# Altium PCB HYDRA_V4_NAV.PcbDoc (part 2 of 2)
Units mm, origin at the board's own origin, x right, y up, seen from the top; angles counter-clockwise.
Board outline 50 x 44 mm, 4 copper layers (TOP SIG, GND, PWR+SIG, BOTTOM SIG), stack 1.586 mm thick; 165 components, 153 nets, 675 pads, 264 vias.
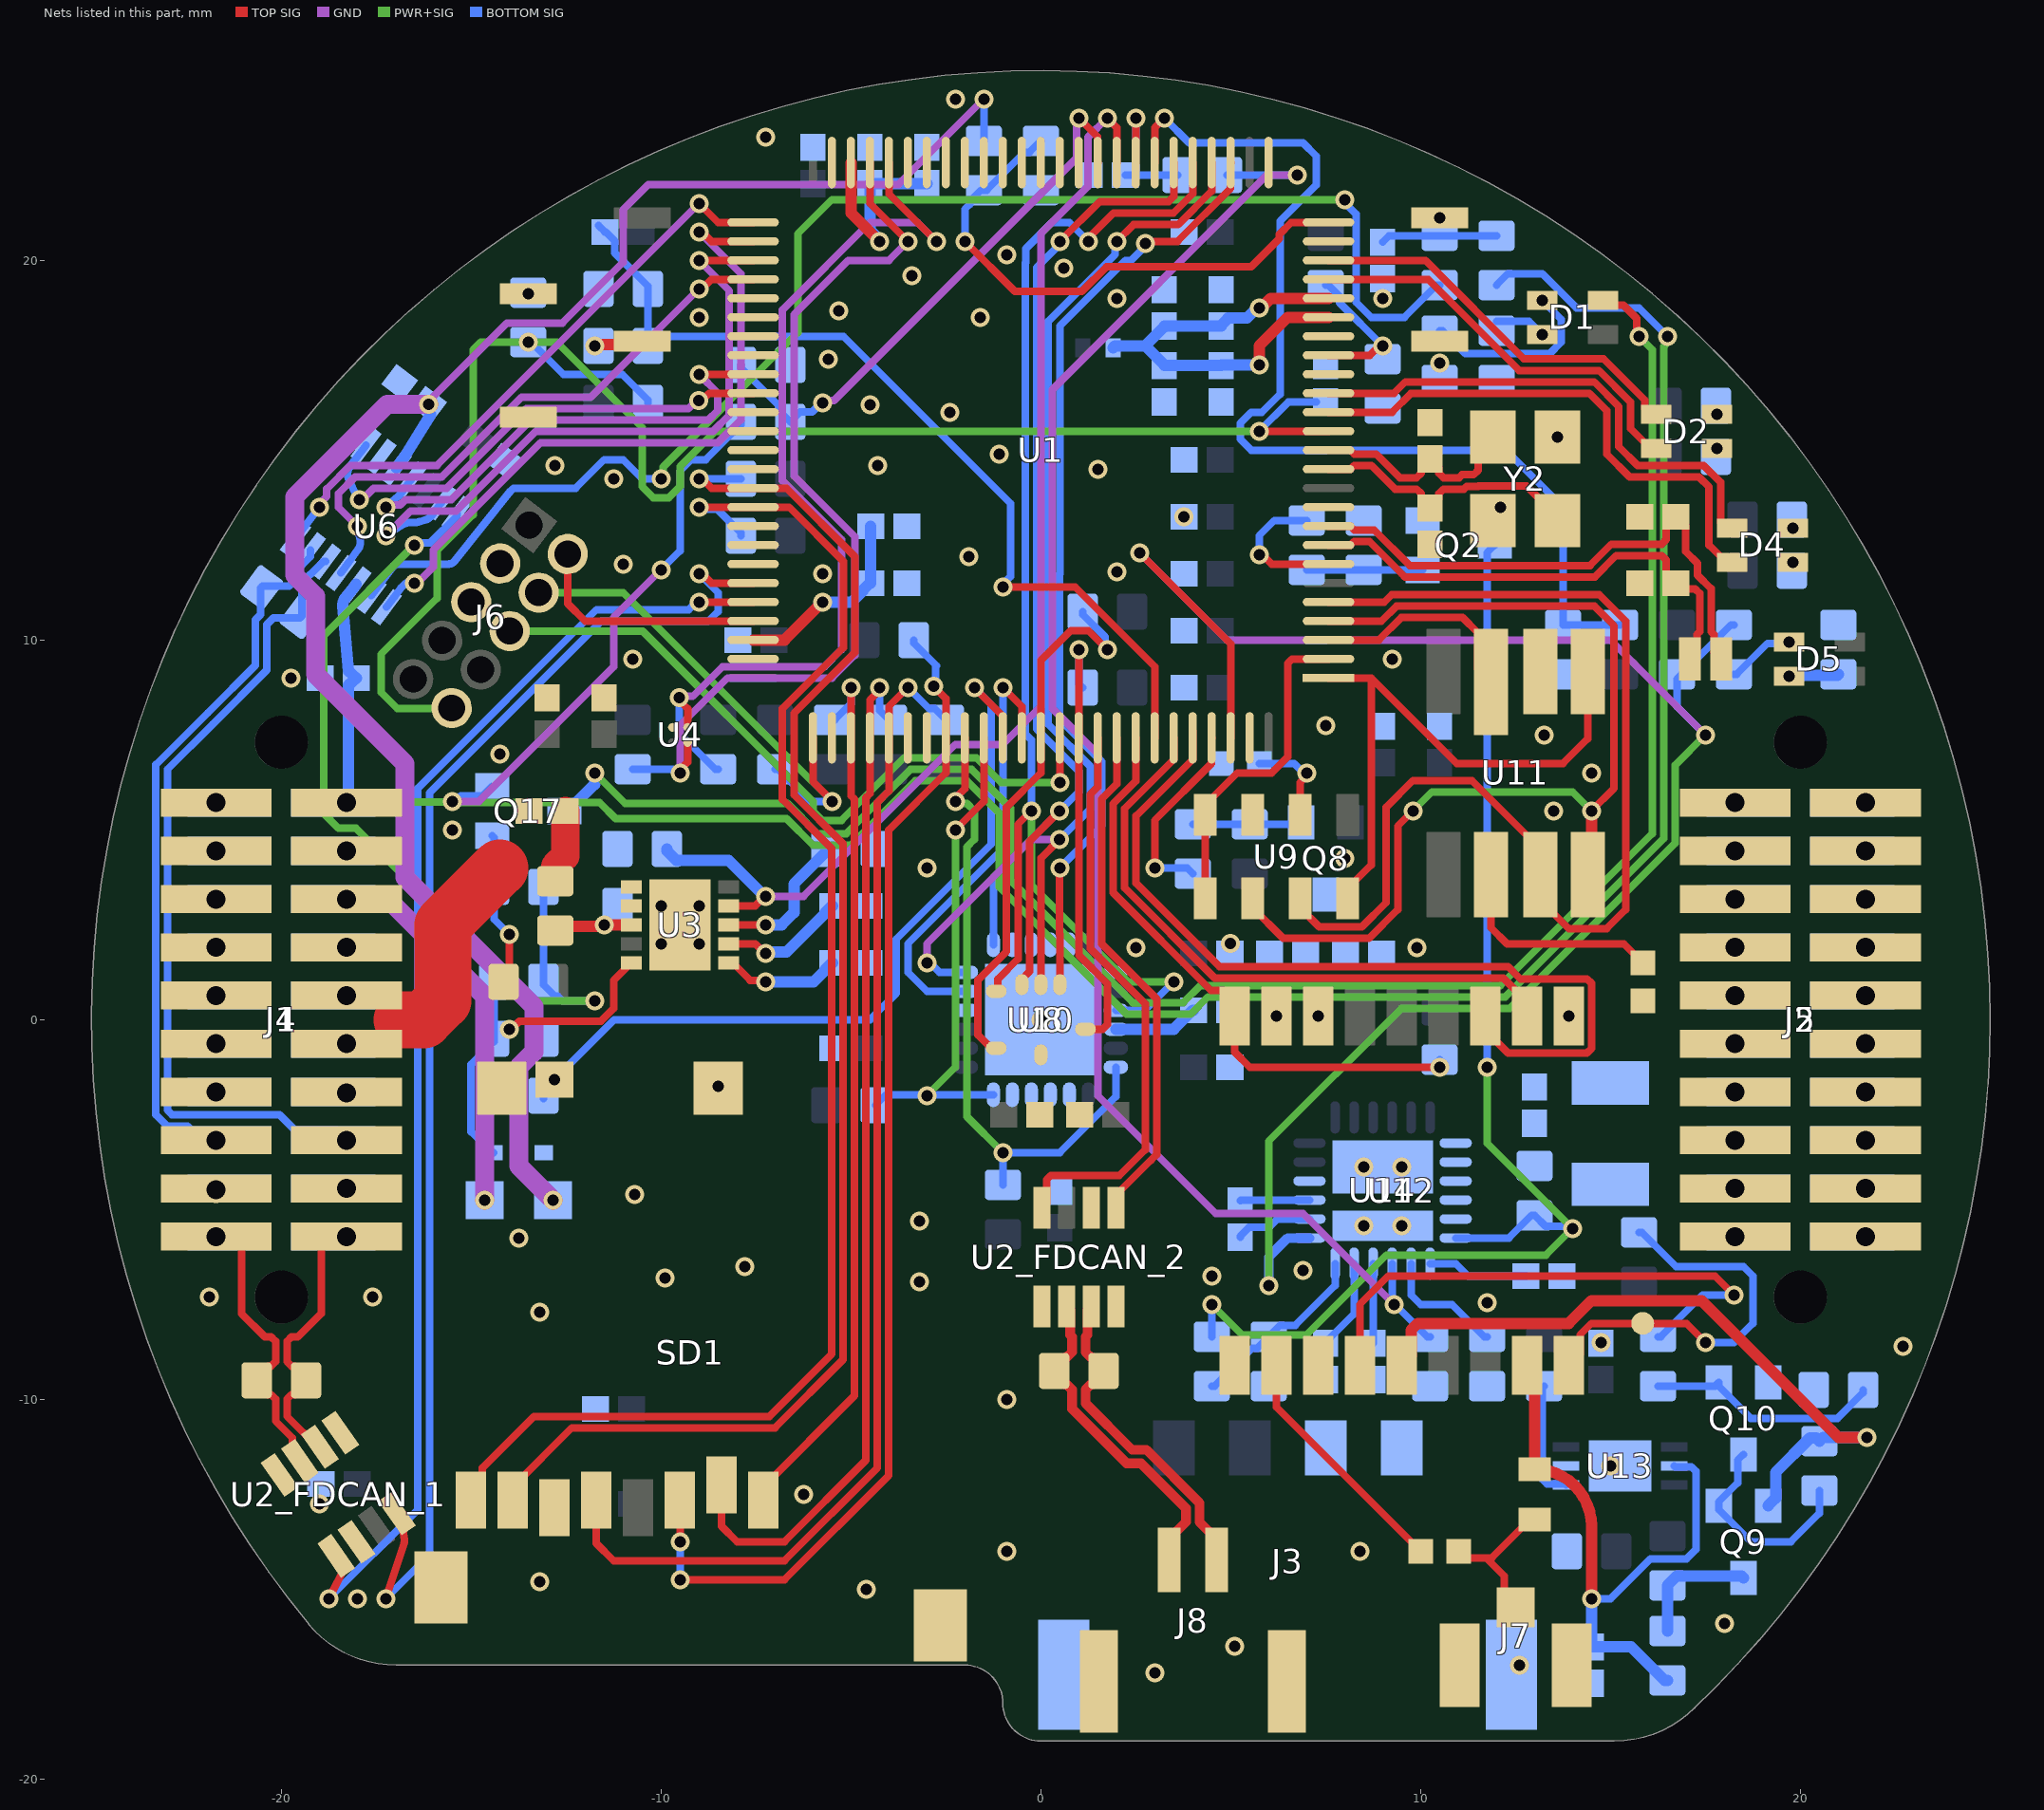
[diagram p4: the nets of this part, all layers, seen from the top]

## Via types
v1: diameter 0.5, hole 0.3, TOP SIG to BOTTOM SIG, tented both sides, 224 vias
v2: diameter 0.7, hole 0.5, TOP SIG to BOTTOM SIG, tented both sides, 40 vias

## Nets (pads, with @x,y where several pads share a name; then routed paths per layer and width w, separated by ;. In a path a pad name is that pad's centre, name@x,y a point inside that pad or via, vN(x,y) a via of type N, cw(c..) or ccw(c..) an arc to the next point about the centre after c; other vN are vias at no path point) (continued)
ANT_SHORT_N: C40.1 L1.1 R38.1 U12.17 U13.2 | length 16.7
  TOP SIG w0.3: U12.17@12.8,-9.1 cw(c12.8,-9.3) 13,-9.3 L1.1@13,-11.837 cw(c13,-13.337) 14.5,-13.337 v1(14.5,-15.25)
  BOTTOM SIG w0.2: v1(14.5,-15.25) 15.002,-15.25 16.05,-14.202 17,-14.202 17.25,-13.952 17.25,-11.892 17.133,-11.775 16.7,-11.775 U13.2@16.675,-11.75
  BOTTOM SIG w0.3: v1(14.5,-15.25) C40.1@14.5,-16.521 15.546,-16.521 16.425,-17.4 R38.1@16.5,-17.4
BARO0_nCS: U1.2 U9.4 U9.5 | length 8.7
  TOP SIG w0.2: U9.5@4.325,3.2 U9.4@4.325,5.4 4.325,5.65 5.175,6.5 6.082,6.5 6.5,6.918 6.5,9.383 6.617,9.5 U1.2@7.575,9.5
BARO1_nCS: U1.3 U11.3 | length 6.7
  TOP SIG w0.2: U1.3@7.575,10 8.9,10 9.497,10.597 11.103,10.597 11.5,10.2 11.5,9.25 U11.3@11.85,8.9
  TOP SIG w0.3: U11.3@11.85,7.95 U11.3@11.85,8.9
BARO_MISO: U1.4 U9.6 U11.8 | length 27.3
  TOP SIG w0.2: U9.6@5.575,3.2 5.575,2.95 6.378,2.147 8.647,2.147 9.4,2.9 9.4,5.1 v1(9.8,5.5) ; U1.4@7.575,10.5 8.973,10.5 9.372,10.898 14.575,10.898 15.098,10.375 15.098,6.098 v1(14.5,5.5)
  TOP SIG w0.3: U11.8@14.4,3.825 14.5,3.925 v1(14.5,5.5)
  PWR+SIG w0.2: v1(9.8,5.5) 10.3,6 14,6 v1(14.5,5.5)
BARO_MOSI: U1.5 U9.7 U11.7 | length 30.5
  TOP SIG w0.2: U9.7@6.825,3.2 6.825,2.95 7.327,2.448 8.459,2.448 9.098,3.088 9.098,5.598 9.8,6.3 11.35,6.3 13.15,4.5 U11.7@13.15,3.825 13.15,3.15 13.9,2.4 14.9,2.4 15.4,2.9 15.4,10.5 14.7,11.2 9.247,11.2 9.047,11 U1.5@7.575,11
BARO_SCLK: U1.1 U9.8 U11.1 | length 16
  TOP SIG w0.2: U1.1@7.575,9 8.7,9 ; U9.8@8.075,3.2 8.075,3.45 8.7,4.075 8.7,9 ; U11.1@14.4,9.175 14.4,7.4 13.75,6.75 10.95,6.75 8.7,9
  TOP SIG w0.3: U11.1@14.4,9.175 U11.1@14.5,9.075
BOOT: C30.1 R1.1 R26.2 U1.94 | length 23.9
  TOP SIG w0.2: v1(-1,11.4) 0.9,11.4 3,9.3 U1.94@3,7.425
  BOTTOM SIG w0.2: C30.1@-11.65,20.921 C30.1@-11.479,20.75 -11.457,20.75 -11.221,20.514 -11.221,20.196 -10.35,19.325 R1.1@-10.35,19.25 R26.2@-10.35,17.75 ; R26.2@-10.089,18 -5.2,18 -0.8,13.6 -0.8,11.667 -1,11.467 v1(-1,11.4)
CAN0_N: J1.16 J4.16 R5.1 U6.12 | length 21.7
  BOTTOM SIG w0.2: U6.12@-18.828,12.069 -18.887,12.069 -19.219,11.737 -19.235,11.737 -19.352,11.62 -19.352,11.434 -19.454,11.332 -19.454,10.635 R5.1@-19.481,10.609 -19.507,10.582 -20.204,10.582 -20.381,10.406 -20.381,9.209 -21.803,7.786 -23,6.59 -23,-2.383 -22.878,-2.505 -20.045,-2.505 -19.645,-2.905 -18.555,-2.905 v2(-18.285,-3.175)
CAN0_P: J1.15 J4.15 R5.2 U6.13 | length 18.8
  BOTTOM SIG w0.2: v2(-21.715,-3.175) -22.105,-3.175 -22.473,-2.807 -23.003,-2.807 -23.302,-2.508 -23.302,6.715 -21.928,8.088 -20.683,9.334 -20.683,10.531 -20.546,10.668 -20.546,11.365 R5.2@-20.519,11.391 -20.493,11.418 -19.796,11.418 -19.654,11.559 -19.654,11.775 -19.227,12.201 U6.13@-19.227,12.37
CAN1_N: J1.20 J4.20 R3_FDCAN_1.1 U2_FDCAN_1.6 | length 7.1
  TOP SIG w0.2: U2_FDCAN_1.6@-18.979,-11.249 -19.048,-11.249 -19.849,-10.447 -19.849,-9.992 -19.732,-9.875 -19.65,-9.875 -19.35,-9.575 R3_FDCAN_1.1@-19.35,-9.5 -19.35,-9.425 -19.65,-9.125 -19.732,-9.125 -19.849,-9.008 -19.849,-8.638 -19.849,-8.472 -19.732,-8.355 -19.565,-8.355 -18.95,-7.74 -18.95,-5.985 -18.685,-5.72 J4.20@-18.635,-5.72
  other v2: -18.285,-5.715
CAN1_P: J1.19 J4.19 R3_FDCAN_1.2 U2_FDCAN_1.7 | length 7.2
  TOP SIG w0.2: J4.19@-21.365,-5.72 -21.315,-5.72 -21.05,-5.985 -21.05,-7.74 -20.435,-8.355 -20.268,-8.355 -20.151,-8.472 -20.151,-8.763 -20.151,-9.008 -20.268,-9.125 -20.35,-9.125 -20.65,-9.425 R3_FDCAN_1.2@-20.65,-9.5 ; R3_FDCAN_1.2@-20.65,-9.575 -20.35,-9.875 -20.268,-9.875 -20.151,-9.992 -20.151,-10.572 -19.712,-11.011 -19.712,-11.421 U2_FDCAN_1.7@-19.512,-11.622
  other v2: -21.715,-5.715
CAN2_N: J8.1 R3_FDCAN_2.1 U2_FDCAN_2.6 | length 8.8
  TOP SIG w0.254: U2_FDCAN_2.6@0.675,-7.55 0.773,-7.648 0.773,-8.306 0.822,-8.355 0.822,-8.753 0.673,-8.902 0.623,-8.902 0.35,-9.175 R3_FDCAN_2.1@0.35,-9.25 0.35,-9.325 0.623,-9.598 0.673,-9.598 0.822,-9.747 0.822,-10.249 2.26,-11.687 2.636,-11.687 3.822,-12.873 3.822,-13.228 3.375,-13.675 J8.1@3.375,-14.225
CAN2_P: J8.2 R3_FDCAN_2.2 U2_FDCAN_2.7 | length 8.8
  TOP SIG w0.254: U2_FDCAN_2.7@1.325,-7.55 1.227,-7.648 1.227,-8.306 1.178,-8.355 1.178,-8.753 1.327,-8.902 1.377,-8.902 1.65,-9.175 R3_FDCAN_2.2@1.65,-9.25 1.65,-9.325 1.377,-9.598 1.327,-9.598 1.178,-9.747 1.178,-10.102 2.407,-11.331 2.783,-11.331 4.178,-12.726 4.178,-13.228 4.625,-13.675 J8.2@4.625,-14.225
GND: C1.2 C2_FDCAN_1.2 C2_FDCAN_2.2 C3.2 C4.2 C5.2 C7.2 C8.2 C9.2 C10.2 C11.2 C12.2 C13.2 C14.2 C15.2 C16.2 C17.2 C18.2 C19.2 C20.2 C21.2 C22.2 C23.2 C24.2 C25.2 C28.2 C29.2 C31.2 C32.2 C33.2 C34.2 C35.2 C36.2 C37.2 C38.2 C39.2 C40.2 C41.2 C42.2 C43.2 C44.2 C45.2 C46.2 C47.2 C48.2 C49.2 C50.2 C51.2 C52.2 C53.2 C54.2 C55.2 D3.2 J1.07 J1.08 J1.13 J1.14 J1.17 J1.18 J2.01 J2.02 J2.03 J2.04 J2.05 J2.06 J2.07 J2.08 J2.09 J2.10 J2.11 J2.12 J3.1 J3.2 J3.5 J3.6 J4.07 J4.08 J4.13 J4.14 J4.17 J4.18 J5.01 J5.02 J5.03 J5.04 J5.05 J5.06 J5.07 J5.08 J5.09 J5.10 J5.11 J5.12 J6.03 J6.05 J7.2 J7.3 J8.3 J8.4 Q2.2 Q10.2 R1.2 R8.1 R11.1 R12.2 R13.2 R14.2 R15.1 R16.2 R36.2 R41.2 R42.2 R48.2 R53.2 R56.2 R57.2 R58.2 R59.2 R62.2 R68.2 R82.1 SD1.6 SD1.10 SD1.11 SD1.12 SD1.13 SW1.2 SW3.2 U1.10 U1.19 U1.26 U1.49 U1.74 U1.99 U2_FDCAN_1.2 U2_FDCAN_2.2 U3.11 U4.A1 U6.2 U8.2 U8.3 U8.4 U8.5 U8.7 U8.14 U8.15 U8.16 U8.17 U8.22 U8.25 U9.3 U10.6 U11.2 U12.1 U12.10 U12.12 U13.5 U13.7 U14.4 U14.5 U14.14 U14.26 Y2.2 Y2.4 | length 2
  BOTTOM SIG w0.2: C52.2@5.25,-5.729 5.25,-5.707 5.486,-5.471 6.009,-5.471 6.23,-5.25 U14.14@7.075,-5.25
  other v1: 3,-17.2 12.6,-17 5.1,-16.5 18,-15.9 -18,-15.25 -4.6,-15 -13.2,-14.8 -0.9,-14 8.4,-14 -19,-12.75 -6.25,-12.5 15,-11.75 -0.9,-10 22.7,-8.6 14.75,-8.5 -13.2,-7.7 11.75,-7.45 -21.9,-7.3 -17.6,-7.3 -3.2,-6.9 -9.9,-6.8 4.5,-6.75 6.9,-6.6 -7.8,-6.5 -13.75,-5.75 8.5,-5.435 9.5,-5.435 -3.2,-5.3 -10.7,-4.6 -8.5,-1.75 0,0 13.9,0.1 2.5,1.9 9.9,1.9 -10,2 -9,2 4.989,2.011 -10,3 -9,3 -3,4 8,4.25 -15.5,5 13.5,5.5 14.5,6.5 -14.25,7 13.25,7.5 7.5,7.75 -19.75,9 -10.75,9.5 9.25,9.5 -5.75,11.75 2,11.8 -11,12 -1.9,12.2 3.771,13.25 12.1,13.5 -11.25,14.25 1.5,14.5 -12.8,14.6 -4.3,14.6 -1.1,14.9 13.6,15.35 -2.4,16 -4.5,16.2 10.5,17.3 -5.6,17.4 -9,18.5 -1.6,18.5 -5.317,18.673 2,19 9,19 -3.4,19.6 0.6,19.8 -0.896,20.146 -7.25,23.25 -2.25,24.25
  other v2: -21.715,-4.475 -18.285,-4.445 -18.285,-1.933 -21.715,-1.905 18.285,-0.635 21.715,-0.635 18.285,0.635 21.715,0.635 -21.715,1.905 -18.285,1.905 18.285,1.905 21.715,1.905 18.285,3.175 21.715,3.175 18.285,4.445 21.715,4.445 18.285,5.715 21.715,5.715
GPS_ENABLE: R44.2 U1.97 | length 5.1
  TOP SIG w0.2: v1(3.011,4) 3,4.011 3,5.25 4.494,6.744 4.494,6.838 4.498,6.842 4.498,7.422 U1.97@4.5,7.425
  BOTTOM SIG w0.2: v1(3.011,4) 3.85,4 R44.2@4,3.85
GPS_nRESET: R65.2 U1.93 U12.9 | length 15.8
  TOP SIG w0.2: U1.93@2.5,7.425 2.5,6.28 1.908,5.688 1.908,3.342 4.475,0.775 4.8,0.775 5.1,0.475 U12.9@5.1,0.1 5.108,0.092 5.108,-0.858 5.5,-1.25 v1(10.5,-1.25)
  BOTTOM SIG w0.2: v1(10.5,-1.25) R65.2@10.5,-1.05
GPS_PWR: C38.1 C39.1 Q8.3 U12.7 U12.8
  other v1: 6.2,0.1 7.3,0.1
IMON: R19.1 R56.1 U14.9 | length 42.2
  GND w0.2: v1(6.75,22.25) 5.957,22.25 0.302,16.594 0.302,8.198 1.5,7 1.5,-2 4.6,-5.1 6.9,-5.1 v1(9.3,-7.5)
  BOTTOM SIG w0.2: R19.1@4.9,22.25 v1(6.75,22.25) ; U14.9@9.25,-6.425 9.25,-7.425 10.175,-8.35 R56.1@10.25,-8.35
IMU0_nCS: U1.87 U8.23 | length 11.8
  TOP SIG w0.2: v1(-1,8.75) -0.5,8.25 U1.87@-0.5,7.425
  BOTTOM SIG w0.2: U8.23@-1.975,0.75 -3,0.75 -3.5,1.25 -3.5,2 -1,4.5 v1(-1,8.75)
IMU0_nRESET: R46.2 U1.85 U8.18 | length 13.3
  TOP SIG w0.2: v1(-2.25,5) -1.5,5.75 U1.85@-1.5,7.425
  PWR+SIG w0.2: v1(-3,-2) -2.25,-1.25 v1(-2.25,5)
  BOTTOM SIG w0.2: R46.2@-4.35,-2.25 -4.075,-1.975 U8.18@-1.25,-1.975
IMU0_ODR: R47.2 U1.84 U8.12 | length 17.1
  TOP SIG w0.2: v1(-2.25,5.748) -2.25,5.83 -2,6.08 U1.84@-2,7.425
  PWR+SIG w0.2: v1(-2.25,5.748) -2.194,5.693 -1.943,5.693 -1.75,5.5 -1.75,4.75 -1.948,4.552 -1.948,-2.552 v1(-1,-3.5)
  BOTTOM SIG w0.2: R47.2@-1,-4.35 v1(-1,-3.5) 0.5,-3.5 1.975,-2.025 U8.12@1.975,-1.25
IMU1_INT1: R49.2 U1.88 U10.4 | length 14.7
  TOP SIG w0.2: U10.4@-1.175,-0.75 -1.308,-0.75 -1.652,-0.406 -1.652,1.048 -0.902,1.798 -0.902,5.598 0,6.5 U1.88@0,7.425 0,9.457 0.793,10.25 1.25,10.25 v1(1.75,9.75)
  BOTTOM SIG w0.2: R49.2@1.1,10.75 1.1,10.675 1.693,10.082 1.693,9.807 v1(1.75,9.75)
IMU1_INT2: R50.2 U1.90 U10.9 | length 11.9
  TOP SIG w0.2: v1(1,9.75) U1.90@1,7.425 1,4.21 1.003,4.207 1.003,1.697 1.75,0.95 1.75,-0.133 1.633,-0.25 U10.9@1.175,-0.25
  BOTTOM SIG w0.2: v1(1,9.75) 1,8.85 R50.2@1.1,8.75
IMU1_nCS: U1.28 U10.12 | length 25
  TOP SIG w0.2: U10.12@0.5,0.925 0.5,2.25 0.492,2.258 0.492,3.989 v1(0.503,4) ; v1(2.75,20.448) 2.802,20.5 3.6,20.5 4.998,21.898 4.998,22.573 U1.28@5,22.575
  BOTTOM SIG w0.2: v1(0.503,4) 0.503,4.003 1.603,5.103 1.603,6.797 0.498,7.902 0.498,11.75 0.5,11.752 0.5,18.273 2.227,20 2.383,20 2.75,20.367 v1(2.75,20.448)
IMU_MISO: U1.30 U8.9 U10.1 | length 34.9
  TOP SIG w0.2: U10.1@-1.175,0.75 -1.127,0.798 -1.127,1.073 -0.6,1.6 -0.6,5.15 v1(-0.25,5.5) ; v1(1.25,20.5) 1.25,20.581 1.919,21.25 3.497,21.25 4,21.753 U1.30@4,22.575
  PWR+SIG w0.2: v1(-0.25,5.5) -0.25,3.55 2.3,1 v1(3.5,1)
  BOTTOM SIG w0.2: v1(-0.25,5.5) -0.25,7.37 -0.406,7.527 -0.406,19.929 -0.396,19.939 -0.396,20.311 0.293,21 0.75,21 v1(1.25,20.5) ; U8.9@1.975,0.25 2.75,0.25 v1(3.5,1)
IMU_MOSI: U1.31 U8.1 U10.14 | length 29.5
  TOP SIG w0.2: U10.14@-0.5,0.925 -0.5,1.066 -0.298,1.267 -0.298,4.702 v1(0.492,5.492) ; v1(0.5,20.5) 1.552,21.552 3.371,21.552 3.5,21.68 U1.31@3.5,22.575
  BOTTOM SIG w0.2: U8.1@-1.25,1.975 -1.25,3.75 0.5,5.5 1,6 1,6.547 -0.105,7.652 -0.105,19.814 0.5,20.419 v1(0.5,20.5)
IMU_SCLK: U1.29 U8.24 U10.13 | length 31.4
  TOP SIG w0.2: U10.13@0,0.925 0.003,0.928 0.003,4.253 0.492,4.742 v1(0.492,4.75) ; v1(2,20.5) 2.448,20.948 3.622,20.948 4.5,21.827 U1.29@4.5,22.575
  GND w0.2: v1(-3,1.5) -3,2 -0.25,4.75 v1(0.492,4.75)
  BOTTOM SIG w0.2: v1(-3,1.5) -2.919,1.5 -2.669,1.25 U8.24@-1.975,1.25 ; v1(0.492,4.75) 0.5,4.75 1.302,5.552 1.302,6.672 0.197,7.777 0.197,11.875 0.198,11.876 0.198,18.398 1.961,20.161 1.961,20.461 v1(2,20.5)
LNA_EN: R39.2 U12.13 | length 14.4
  TOP SIG w0.2: U12.13@8.4,-9.1 8.4,-7.5 9.15,-6.75 17.75,-6.75 v1(18.25,-7.25)
  BOTTOM SIG w0.2: R39.2@16.25,-8.35 16.325,-8.35 17.425,-7.25 v1(18.25,-7.25)
MAG_SCL: R64.2 U1.46 U4.A2 | length 25.4
  TOP SIG w0.2: v1(-9.514,8.486) -9.514,8.405 -9.3,8.191 U4.A2@-9.3,7.7 ; U1.46@-4,22.575 -4,21.75 v1(-2.75,20.5)
  GND w0.2: v1(-9.514,8.486) -9.485,8.515 -9.165,8.515 -8.378,9.302 -5.698,9.302 -5.25,9.75 -5.25,12.65 -6.802,14.202 -6.802,18.698 -4.5,21 -3.25,21 v1(-2.75,20.5)
  BOTTOM SIG w0.2: v1(-9.514,8.486) -9.514,7.539 -8.575,6.6 R64.2@-8.5,6.6
MAG_SDA: R63.2 U1.47 U4.B2 | length 24.7
  TOP SIG w0.2: v1(-9.5,6.5) -9.5,6.581 -9.3,6.781 U4.B2@-9.3,7.3 ; U1.47@-4.5,22.575 -4.5,21.5 v1(-3.5,20.5)
  GND w0.2: v1(-9.5,6.5) -9.5,7.75 -8.25,9 -5.5,9 -4.9,9.6 -4.9,12.727 -6.5,14.327 -6.5,18.573 -5.073,20 -4,20 v1(-3.5,20.5)
  BOTTOM SIG w0.2: R63.2@-10.75,6.6 -9.681,6.6 -9.581,6.5 v1(-9.5,6.5)
MCU_G_LED: D2.1 U1.22 | length 10.9
  TOP SIG w0.2: U1.22@7.575,19.5 10.2,19.5 12.598,17.102 14.697,17.102 15.525,16.274 15.525,15.575 16.05,15.05 D2.1@16.2,15.05
MCU_R_LED: D2.4 U1.23 | length 10.4
  TOP SIG w0.2: U1.23@7.575,20 10.127,20 12.723,17.403 14.822,17.403 15.9,16.325 15.9,16.1 16.05,15.95 D2.4@16.2,15.95
NAV_G_LED: D4.1 U1.15 | length 14.2
  TOP SIG w0.2: U1.15@7.575,16 9.25,16 9.748,16.498 14.447,16.498 14.9,16.045 14.9,14.9 15.503,14.297 17.333,14.297 17.598,14.031 17.598,12.502 18.05,12.05 D4.1@18.2,12.05
NAV_R_LED: D4.4 U1.16 | length 13.6
  TOP SIG w0.2: U1.16@7.575,16.5 9.3,16.5 9.6,16.8 14.572,16.8 15.223,16.149 15.223,15.092 15.716,14.598 17.458,14.598 17.9,14.156 17.9,13.1 18.05,12.95 D4.4@18.2,12.95
NetC1_1: C1.1 R19.2 U1.33 | length 4
  TOP SIG w0.2: U1.33@2.5,22.575 v1(2.5,23.75)
  BOTTOM SIG w0.2: C1.1@2.229,22.25 R19.2@3.6,22.25 ; C1.1@2.5,22.336 v1(2.5,23.75)
NetC12_1: C12.1 C13.1 U1.48 | length 5.5
  TOP SIG w0.3: U1.48@-5,22.575 -5,21.25 v1(-4.25,20.5)
  BOTTOM SIG w0.3: v1(-4.25,20.5) -4.25,20.554 -4.5,20.804 C13.1@-4.5,22.021 C12.1@-3,22.021
NetC14_1: C14.1 C17.1 U1.73 | length 5.2
  TOP SIG w0.3: U1.73@-7.575,10 -6.75,10 v1(-5.75,11)
  BOTTOM SIG w0.3: v1(-5.75,11) -4.979,11 -4.686,11.292 -4.686,11.314 -4.5,11.5 C17.1@-4.479,11.5 C14.1@-4.479,13
NetC16_1: C16.1 U3.7 | length 3.4
  TOP SIG w0.2: U3.7@-8.215,2 -7.518,2 -7.268,1.75 v1(-7.25,1.75)
  BOTTOM SIG w0.3: v1(-7.25,1.75) -7.212,1.788 -6.69,1.788 -5.686,2.792 -5.686,2.814 -5.5,3 C16.1@-5.479,3
NetC25_1: C25.1 R6.1 R7.1 SW1.1 | length 3.1
  BOTTOM SIG w0.2: C25.1@9,20.479 9.171,20.65 R7.1@10.5,20.65 R6.1@12,20.65
  other v1: 10.5,21.125
NetC35_1: C35.1 U3.6 | length 3.2
  TOP SIG w0.2: U3.6@-8.215,1.5 -8.115,1.5 -7.653,1.038 -7.288,1.038 v1(-7.25,1)
  BOTTOM SIG w0.3: v1(-7.25,1) -5.979,1 -5.686,1.292 -5.686,1.314 -5.5,1.5 C35.1@-5.479,1.5
NetC47_1: C47.1 U8.10 | length 2.3
  BOTTOM SIG w0.3: U8.10@1.975,-0.25 3.5,-0.25 4,0.25 C47.1@4.021,0.25
NetC51_1: C51.1 F1.2 R52.1 U14.1 U14.2 U14.3 U14.16 U14.25
  other v1: 8.5,-3.875 9.5,-3.875
NetC52_1: C52.1 U14.15 | length 1.8
  BOTTOM SIG w0.2: C52.1@5.25,-4.771 5.271,-4.75 U14.15@7.075,-4.75
NetC53_1: C53.1 U14.11 | length 2.4
  BOTTOM SIG w0.2: C53.1@7.5,-8.521 7.5,-8.5 8.25,-7.75 U14.11@8.25,-6.425
NetC54_1: C54.1 U14.10 | length 2.1
  BOTTOM SIG w0.2: C54.1@8.75,-8.521 U14.10@8.75,-6.425
NetC55_1: C55.1 U14.7 | length 2.7
  BOTTOM SIG w0.2: U14.7@10.25,-6.425 10.925,-6.425 11.25,-6.75 C55.1@12.771,-6.75
NetD1_1: D1.1 R11.2 | length 1.3
  BOTTOM SIG w0.2: R11.2@12,18.4 12.85,18.4 v1(13.2,18.05)
NetD1_3: D1.3 Q17.3 | length 50.9
  TOP SIG w0.2: D1.3@14.8,18.95 14.93,18.82 15.345,18.82 15.693,18.472 15.693,18.057 v1(15.75,18)
  PWR+SIG w0.2: v1(-11.75,6.5) -10.95,5.7 -6.673,5.7 -5.875,4.902 -5.125,4.902 -3.428,6.598 -1.825,6.598 -0.798,5.572 -0.798,3.672 2.423,0.45 3.75,0.45 4.202,0.902 7.632,0.902 7.634,0.9 12.1,0.9 16.1,4.9 16.1,17.65 v1(15.75,18)
  BOTTOM SIG w0.3: Q17.3@-12.55,5.5 -12.45,5.5 -11.75,6.2 v1(-11.75,6.5)
NetD1_4: D1.4 R15.2 | length 4.9
  BOTTOM SIG w0.2: R15.2@10.5,18.15 10.575,18.15 11.177,17.548 13.405,17.548 13.7,17.843 13.7,18.45 v1(13.2,18.95)
NetD2_2: D2.2 R22.2
  other v1: 17.8,15.05
NetD2_3: D2.3 R25.2
  other v1: 17.8,15.95
NetD4_2: D4.2 R28.2
  other v1: 19.8,12.05
NetD4_3: D4.3 R30.2
  other v1: 19.8,12.95
NetD5_1: D5.1 R59.1 | length 1.3
  BOTTOM SIG w0.3: v1(19.7,9.05) 19.725,9.075 20.975,9.075 R59.1@21,9.1
NetD5_4: D5.4 R60.1 | length 1.8
  BOTTOM SIG w0.2: R60.1@18.25,9.1 18.325,9.1 19.137,9.912 19.662,9.912 v1(19.7,9.95)
NetJ7_1: J7.1 L1.2 R17.1 | length 4.2
  TOP SIG w0.199: R17.1@11,-14 11.175,-14.175 11.725,-14.175 ; J7.1@12.5,-15.475 12.275,-15.475 12.2,-15.4 12.2,-14.65 11.725,-14.175 ; L1.2@13,-13.163 12.888,-13.163 11.875,-14.175 11.725,-14.175
NetQ2_1: Q2.1 R61.2 R62.1 | length 3.1
  BOTTOM SIG w0.2: R61.2@7,11.85 Q2.1@10.05,11.85
NetQ8_1: Q8.1 R43.2 R44.1 | length 2.9
  BOTTOM SIG w0.2: R44.1@4,5.15 R43.2@5.5,5.15 6.8,5.15 Q8.1@6.85,5.2
NetQ9_1: Q9.1 Q10.3 R37.2 | length 5.6
  BOTTOM SIG w0.2: Q10.3@18.5,-11.45 18.35,-11.6 18.35,-12.2 17.85,-12.7 17.85,-12.9 18.7,-13.75 19.75,-13.75 20.5,-13 R37.2@20.5,-12.4
NetQ9_3: Q9.3 R38.2 R40.1 | length 3.3
  BOTTOM SIG w0.3: R38.2@16.5,-16.1 R40.1@16.5,-14.9 16.75,-14.65 18.45,-14.65 Q9.3@18.5,-14.7